# KiCad board motordecoder2-roomlight.kicad_pcb (continued)
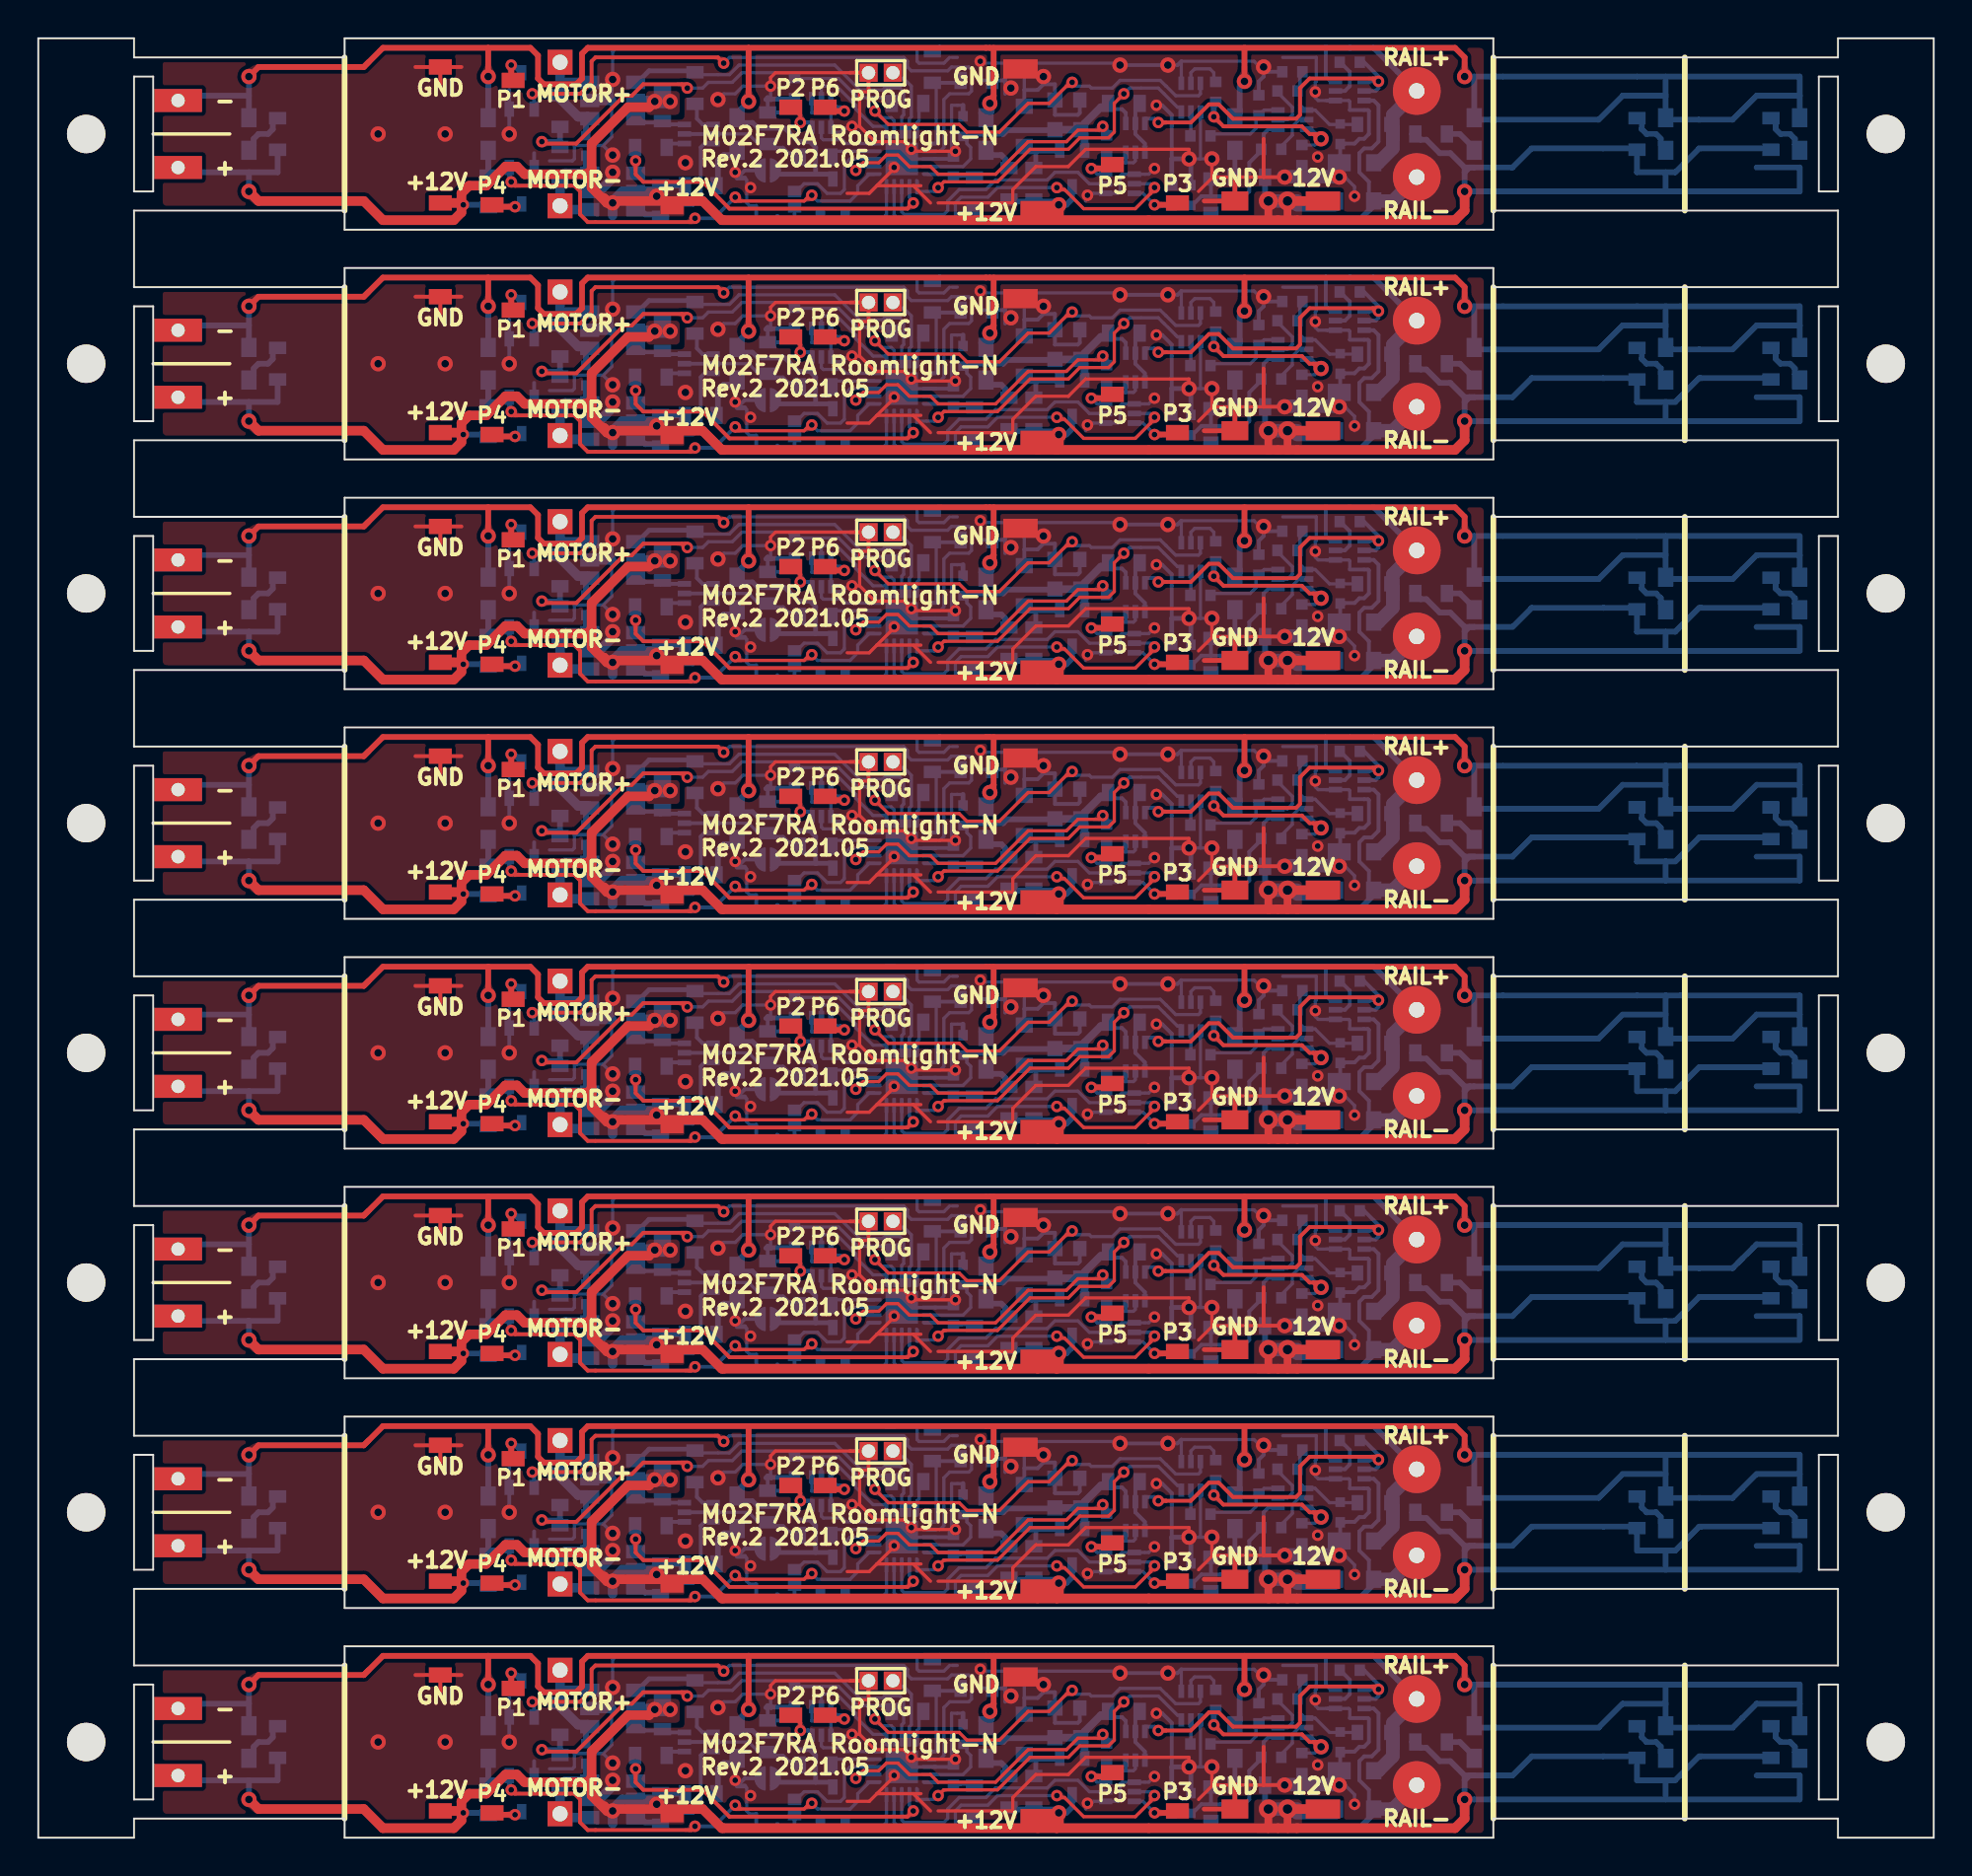
[diagram p0: board, top side]
## Routing (per net, layer and track width the routed paths; a pad name or vN(x,y) marks a point on that pad's centre or on a via; arc(x,y) is an arc through that point) (continued)
  Bottom w0.17: 67.35,78.75 66.85,78.75 66.7,78.9 v3(66.7,79.2) 66.7,79.7 66.75,79.75 66.75,81 65,81 ; 67.35,78.75 Q8#2.1 68.45,78.75 68.5,78.7 68.5,78.25 ; 67.35,78.75 67.25,78.75 ; 67.35,66.75 66.85,66.75 66.7,66.9 v3(66.7,67.2) 66.7,67.7 66.75,67.75 66.75,69 65,69 ; 67.35,66.75 Q8#3.1 68.45,66.75 68.5,66.7 68.5,66.25 ; 67.35,66.75 67.25,66.75 ; 67.35,54.75 66.85,54.75 66.7,54.9 v3(66.7,55.2) 66.7,55.7 66.75,55.75 66.75,57 65,57 ; 67.35,54.75 Q8#4.1 68.45,54.75 68.5,54.7 68.5,54.25 ; 67.35,54.75 67.25,54.75 ; 67.35,42.75 66.85,42.75 66.7,42.9 v3(66.7,43.2) 66.7,43.7 66.75,43.75 66.75,45 65,45 ; 67.35,42.75 Q8#5.1 68.45,42.75 68.5,42.7 68.5,42.25 ; 67.35,42.75 67.25,42.75 ; 67.35,30.75 66.85,30.75 66.7,30.9 v3(66.7,31.2) 66.7,31.7 66.75,31.75 66.75,33 65,33 ; 67.35,30.75 Q8#6.1 68.45,30.75 68.5,30.7 68.5,30.25 ; 67.35,30.75 67.25,30.75 ; 67.35,18.75 66.85,18.75 66.7,18.9 v3(66.7,19.2) 66.7,19.7 66.75,19.75 66.75,21 65,21 ; 67.35,18.75 Q8#7.1 68.45,18.75 68.5,18.7 68.5,18.25 ; 67.35,18.75 67.25,18.75 ; 67.35,6.75 66.85,6.75 66.7,6.9 v3(66.7,7.2) 66.7,7.7 66.75,7.75 66.75,9 65,9 ; 67.35,6.75 Q8#8.1 68.45,6.75 68.5,6.7 68.5,6.25 ; 67.35,6.75 67.25,6.75 ; v1(67.95,74.75) 68.25,74.75 68.75,74.25 v3(68.75,73.75) 68.75,73.5 ; v1(67.95,62.75) 68.25,62.75 68.75,62.25 v3(68.75,61.75) 68.75,61.5 ; v1(67.95,50.75) 68.25,50.75 68.75,50.25 v3(68.75,49.75) 68.75,49.5 ; v1(67.95,38.75) 68.25,38.75 68.75,38.25 v3(68.75,37.75) 68.75,37.5 ; v1(67.95,26.75) 68.25,26.75 68.75,26.25 v3(68.75,25.75) 68.75,25.5 ; v1(67.95,14.75) 68.25,14.75 68.75,14.25 v3(68.75,13.75) 68.75,13.5 ; v1(67.95,2.75) 68.25,2.75 68.75,2.25 v3(68.75,1.75) 68.75,1.5 ; 60.7,75.7 v1(61.3,75.7) ; 60.7,75.7 Q22#2.4 ; 60.7,75.7 v1(60.1,75.7) ; 60.7,63.7 v1(61.3,63.7) ; 60.7,63.7 Q22#3.4 ; 60.7,63.7 v1(60.1,63.7) ; 60.7,51.7 v1(61.3,51.7) ; 60.7,51.7 Q22#4.4 ; 60.7,51.7 v1(60.1,51.7) ; 60.7,39.7 v1(61.3,39.7) ; 60.7,39.7 Q22#5.4 ; 60.7,39.7 v1(60.1,39.7) ; 60.7,27.7 v1(61.3,27.7) ; 60.7,27.7 Q22#6.4 ; 60.7,27.7 v1(60.1,27.7) ; 60.7,15.7 v1(61.3,15.7) ; 60.7,15.7 Q22#7.4 ; 60.7,15.7 v1(60.1,15.7) ; 60.7,3.7 v1(61.3,3.7) ; 60.7,3.7 Q22#8.4 ; 60.7,3.7 v1(60.1,3.7) ; Q14#2.4 40.4,78.1 41.4,78.1 Q14#2.1 41.4,77.1 41.9,77.1 42.1,77.3 ; Q14#3.4 40.4,66.1 41.4,66.1 Q14#3.1 41.4,65.1 41.9,65.1 42.1,65.3 ; Q14#4.4 40.4,54.1 41.4,54.1 Q14#4.1 41.4,53.1 41.9,53.1 42.1,53.3 ; Q14#5.4 40.4,42.1 41.4,42.1 Q14#5.1 41.4,41.1 41.9,41.1 42.1,41.3 ; Q14#6.4 40.4,30.1 41.4,30.1 Q14#6.1 41.4,29.1 41.9,29.1 42.1,29.3 ; Q14#7.4 40.4,18.1 41.4,18.1 Q14#7.1 41.4,17.1 41.9,17.1 42.1,17.3 ; Q14#8.4 40.4,6.1 41.4,6.1 Q14#8.1 41.4,5.1 41.9,5.1 42.1,5.3 ; v1(64,80.5) 63.8,80.5 63.5,80.8 59.7,80.8 Q22#2.1 ; v1(64,68.5) 63.8,68.5 63.5,68.8 59.7,68.8 Q22#3.1 ; v1(64,56.5) 63.8,56.5 63.5,56.8 59.7,56.8 Q22#4.1 ; v1(64,44.5) 63.8,44.5 63.5,44.8 59.7,44.8 Q22#5.1 ; v1(64,32.5) 63.8,32.5 63.5,32.8 59.7,32.8 Q22#6.1 ; v1(64,20.5) 63.8,20.5 63.5,20.8 59.7,20.8 Q22#7.1 ; v1(64,8.5) 63.8,8.5 63.5,8.8 59.7,8.8 Q22#8.1 ; 47.7,75.8 47.7,78.5 48.3,78.5 ; 47.7,63.8 47.7,66.5 48.3,66.5 ; 47.7,51.8 47.7,54.5 48.3,54.5 ; 47.7,39.8 47.7,42.5 48.3,42.5 ; 47.7,27.8 47.7,30.5 48.3,30.5 ; 47.7,15.8 47.7,18.5 48.3,18.5 ; 47.7,3.8 47.7,6.5 48.3,6.5 ; v3(58.3,75.2) 58,74.9 Q13#2.1 56.6,74.9 56.5,74.8 56.5,74 56.4,73.9 Q13#2.4 55.1,73.9 54.7,73.5 ; v3(58.3,63.2) 58,62.9 Q13#3.1 56.6,62.9 56.5,62.8 56.5,62 56.4,61.9 Q13#3.4 55.1,61.9 54.7,61.5 ; v3(58.3,51.2) 58,50.9 Q13#4.1 56.6,50.9 56.5,50.8 56.5,50 56.4,49.9 Q13#4.4 55.1,49.9 54.7,49.5 ; v3(58.3,39.2) 58,38.9 Q13#5.1 56.6,38.9 56.5,38.8 56.5,38 56.4,37.9 Q13#5.4 55.1,37.9 54.7,37.5 ; v3(58.3,27.2) 58,26.9 Q13#6.1 56.6,26.9 56.5,26.8 56.5,26 56.4,25.9 Q13#6.4 55.1,25.9 54.7,25.5 ; v3(58.3,15.2) 58,14.9 Q13#7.1 56.6,14.9 56.5,14.8 56.5,14 56.4,13.9 Q13#7.4 55.1,13.9 54.7,13.5 ; v3(58.3,3.2) 58,2.9 Q13#8.1 56.6,2.9 56.5,2.8 56.5,2 56.4,1.9 Q13#8.4 55.1,1.9 54.7,1.5 ; 46.85,75.7 45.4,75.7 ; 46.85,63.7 45.4,63.7 ; 46.85,51.7 45.4,51.7 ; 46.85,39.7 45.4,39.7 ; 46.85,27.7 45.4,27.7 ; 46.85,15.7 45.4,15.7 ; 46.85,3.7 45.4,3.7 ; 51.5,79.3 51.5,80.7 ; 51.5,67.3 51.5,68.7 ; 51.5,55.3 51.5,56.7 ; 51.5,43.3 51.5,44.7 ; 51.5,31.3 51.5,32.7 ; 51.5,19.3 51.5,20.7 ; 51.5,7.3 51.5,8.7 ; 42.1,77.3 42.3,77.3 ; 42.1,77.3 42.4,77.3 v3(42.5,77.4) ; 42.1,65.3 42.3,65.3 ; 42.1,65.3 42.4,65.3 v3(42.5,65.4) ; 42.1,53.3 42.3,53.3 ; 42.1,53.3 42.4,53.3 v3(42.5,53.4) ; 42.1,41.3 42.3,41.3 ; 42.1,41.3 42.4,41.3 v3(42.5,41.4) ; 42.1,29.3 42.3,29.3 ; 42.1,29.3 42.4,29.3 v3(42.5,29.4) ; 42.1,17.3 42.3,17.3 ; 42.1,17.3 42.4,17.3 v3(42.5,17.4) ; 42.1,5.3 42.3,5.3 ; 42.1,5.3 42.4,5.3 v3(42.5,5.4) ; v1(30,75.9) 29.5,76.4 ; 29.5,76.4 28,76.4 28,75.7 27.9,75.6 26.7,75.6 ; 29.5,76.4 29.95,76.85 29.95,78.75 ; v1(30,63.9) 29.5,64.4 ; 29.5,64.4 28,64.4 28,63.7 27.9,63.6 26.7,63.6 ; 29.5,64.4 29.95,64.85 29.95,66.75 ; v1(30,51.9) 29.5,52.4 ; 29.5,52.4 28,52.4 28,51.7 27.9,51.6 26.7,51.6 ; 29.5,52.4 29.95,52.85 29.95,54.75 ; v1(30,39.9) 29.5,40.4 ; 29.5,40.4 28,40.4 28,39.7 27.9,39.6 26.7,39.6 ; 29.5,40.4 29.95,40.85 29.95,42.75 ; v1(30,27.9) 29.5,28.4 ; 29.5,28.4 28,28.4 28,27.7 27.9,27.6 26.7,27.6 ; 29.5,28.4 29.95,28.85 29.95,30.75 ; v1(30,15.9) 29.5,16.4 ; 29.5,16.4 28,16.4 28,15.7 27.9,15.6 26.7,15.6 ; 29.5,16.4 29.95,16.85 29.95,18.75 ; v1(30,3.9) 29.5,4.4 ; 29.5,4.4 28,4.4 28,3.7 27.9,3.6 26.7,3.6 ; 29.5,4.4 29.95,4.85 29.95,6.75 ; 40.75,72.75 40.75,72.65 40.9,72.5 40.8,72.5 ; 40.75,60.75 40.75,60.65 40.9,60.5 40.8,60.5 ; 40.75,48.75 40.75,48.65 40.9,48.5 40.8,48.5 ; 40.75,36.75 40.75,36.65 40.9,36.5 40.8,36.5 ; 40.75,24.75 40.75,24.65 40.9,24.5 40.8,24.5 ; 40.75,12.75 40.75,12.65 40.9,12.5 40.8,12.5 ; 40.75,0.75 40.75,0.65 40.9,0.5 40.8,0.5 ; 51.5,80.7 56.4,80.7 v1(56.5,80.6) ; 51.5,80.7 49.5,80.7 ; 51.5,68.7 56.4,68.7 v1(56.5,68.6) ; 51.5,68.7 49.5,68.7 ; 51.5,56.7 56.4,56.7 v1(56.5,56.6) ; 51.5,56.7 49.5,56.7 ; 51.5,44.7 56.4,44.7 v1(56.5,44.6) ; 51.5,44.7 49.5,44.7 ; 51.5,32.7 56.4,32.7 v1(56.5,32.6) ; 51.5,32.7 49.5,32.7 ; 51.5,20.7 56.4,20.7 v1(56.5,20.6) ; 51.5,20.7 49.5,20.7 ; 51.5,8.7 56.4,8.7 v1(56.5,8.6) ; 51.5,8.7 49.5,8.7 ; v1(35.5,78.8) 35.8,79.1 36.4,79.1 36.8,79.5 v3(38.25,79.5) 38.25,78.88 38.3,78.83 ; v1(35.5,66.8) 35.8,67.1 36.4,67.1 36.8,67.5 v3(38.25,67.5) 38.25,66.88 38.3,66.83 ; v1(35.5,54.8) 35.8,55.1 36.4,55.1 36.8,55.5 v3(38.25,55.5) 38.25,54.88 38.3,54.83 ; v1(35.5,42.8) 35.8,43.1 36.4,43.1 36.8,43.5 v3(38.25,43.5) 38.25,42.88 38.3,42.83 ; v1(35.5,30.8) 35.8,31.1 36.4,31.1 36.8,31.5 v3(38.25,31.5) 38.25,30.88 38.3,30.83 ; v1(35.5,18.8) 35.8,19.1 36.4,19.1 36.8,19.5 v3(38.25,19.5) 38.25,18.88 38.3,18.83 ; v1(35.5,6.8) 35.8,7.1 36.4,7.1 36.8,7.5 v3(38.25,7.5) 38.25,6.88 38.3,6.83 ; 36.9,74.7 37,74.6 37,73.4 37.15,73.25 37.5,73.25 ; 36.9,62.7 37,62.6 37,61.4 37.15,61.25 37.5,61.25 ; 36.9,50.7 37,50.6 37,49.4 37.15,49.25 37.5,49.25 ; 36.9,38.7 37,38.6 37,37.4 37.15,37.25 37.5,37.25 ; 36.9,26.7 37,26.6 37,25.4 37.15,25.25 37.5,25.25 ; 36.9,14.7 37,14.6 37,13.4 37.15,13.25 37.5,13.25 ; 36.9,2.7 37,2.6 37,1.4 37.15,1.25 37.5,1.25 ; v1(30,79.85) 30,81.3 30.2,81.5 35.25,81.5 ; v1(30,67.85) 30,69.3 30.2,69.5 35.25,69.5 ; v1(30,55.85) 30,57.3 30.2,57.5 35.25,57.5 ; v1(30,43.85) 30,45.3 30.2,45.5 35.25,45.5 ; v1(30,31.85) 30,33.3 30.2,33.5 35.25,33.5 ; v1(30,19.85) 30,21.3 30.2,21.5 35.25,21.5 ; v1(30,7.85) 30,9.3 30.2,9.5 35.25,9.5 ; 47.73,81 48,81 ; 47.73,69 48,69 ; 47.73,57 48,57 ; 47.73,45 48,45 ; 47.73,33 48,33 ; 47.73,21 48,21 ; 47.73,9 48,9 ; 47.6,81 47.3,80.7 46,80.7 45.9,80.8 45.9,81.5 ; 47.6,69 47.3,68.7 46,68.7 45.9,68.8 45.9,69.5 ; 47.6,57 47.3,56.7 46,56.7 45.9,56.8 45.9,57.5 ; 47.6,45 47.3,44.7 46,44.7 45.9,44.8 45.9,45.5 ; 47.6,33 47.3,32.7 46,32.7 45.9,32.8 45.9,33.5 ; 47.6,21 47.3,20.7 46,20.7 45.9,20.8 45.9,21.5 ; 47.6,9 47.3,8.7 46,8.7 45.9,8.8 45.9,9.5 ; 46.85,87.7 45.4,87.7 ; 47.7,87.8 47.7,90.5 48.3,90.5 ; 42.1,89.3 41.9,89.1 41.4,89.1 Q14.1 41.4,90.1 40.4,90.1 Q14.4 ; 42.1,89.3 42.3,89.3 ; 42.1,89.3 42.4,89.3 v3(42.5,89.4) ; 45.9,93.5 45.9,92.8 46,92.7 47.3,92.7 47.6,93 ; v3(58.3,87.2) 58,86.9 Q13.1 56.6,86.9 56.5,86.8 56.5,86 56.4,85.9 Q13.4 55.1,85.9 54.7,85.5 ; v1(56.5,92.6) 56.4,92.7 51.5,92.7 ; 29.95,90.75 29.95,88.85 29.5,88.4 ; 51.5,91.3 51.5,92.7 ; 47.73,93 48,93 ; 51.5,92.7 49.5,92.7 ; v1(64,92.5) 63.8,92.5 63.5,92.8 59.7,92.8 Q22.1 ; v1(30,87.9) 29.5,88.4 ; 29.5,88.4 28,88.4 28,87.7 27.9,87.6 26.7,87.6 ; v1(67.95,86.75) 68.25,86.75 68.75,86.25 v3(68.75,85.75) 68.75,85.5 ; 65,93 66.75,93 66.75,91.75 66.7,91.7 v3(66.7,91.2) 66.7,90.9 66.85,90.75 67.35,90.75 ; 40.8,84.5 40.9,84.5 40.75,84.65 40.75,84.75 ; 67.35,90.75 67.25,90.75 ; 67.35,90.75 Q8.1 68.45,90.75 68.5,90.7 68.5,90.25 ; 60.7,87.7 v1(61.3,87.7) ; 60.7,87.7 v1(60.1,87.7) ; 60.7,87.7 Q22.4 ; 35.25,93.5 30.2,93.5 30,93.3 v1(30,91.85) ; 37.5,85.25 37.15,85.25 37,85.4 37,86.6 36.9,86.7 ; 38.3,90.83 38.25,90.88 v3(38.25,91.5) 36.8,91.5 36.4,91.1 35.8,91.1 v1(35.5,90.8)
  Bottom w0.2: 65.03,74.78 65.22,74.78 65.25,74.75 ; 65.03,62.78 65.22,62.78 65.25,62.75 ; 65.03,50.78 65.22,50.78 65.25,50.75 ; 65.03,38.78 65.22,38.78 65.25,38.75 ; 65.03,26.78 65.22,26.78 65.25,26.75 ; 65.03,14.78 65.22,14.78 65.25,14.75 ; 65.03,2.78 65.22,2.78 65.25,2.75 ; 44.25,81.5 35.25,81.5 ; 44.25,69.5 35.25,69.5 ; 44.25,57.5 35.25,57.5 ; 44.25,45.5 35.25,45.5 ; 44.25,33.5 35.25,33.5 ; 44.25,21.5 35.25,21.5 ; 44.25,9.5 35.25,9.5 ; 67.95,74.55 D1#2.1 68,75.55 C11#2.2 68.22,76.47 68.25,76.5 68.75,76.5 69,76.75 69.25,76.75 69.5,77 69.5,78.2 69.45,78.25 68.5,78.25 ; 67.95,62.55 D1#3.1 68,63.55 C11#3.2 68.22,64.47 68.25,64.5 68.75,64.5 69,64.75 69.25,64.75 69.5,65 69.5,66.2 69.45,66.25 68.5,66.25 ; 67.95,50.55 D1#4.1 68,51.55 C11#4.2 68.22,52.47 68.25,52.5 68.75,52.5 69,52.75 69.25,52.75 69.5,53 69.5,54.2 69.45,54.25 68.5,54.25 ; 67.95,38.55 D1#5.1 68,39.55 C11#5.2 68.22,40.47 68.25,40.5 68.75,40.5 69,40.75 69.25,40.75 69.5,41 69.5,42.2 69.45,42.25 68.5,42.25 ; 67.95,26.55 D1#6.1 68,27.55 C11#6.2 68.22,28.47 68.25,28.5 68.75,28.5 69,28.75 69.25,28.75 69.5,29 69.5,30.2 69.45,30.25 68.5,30.25 ; 67.95,14.55 D1#7.1 68,15.55 C11#7.2 68.22,16.47 68.25,16.5 68.75,16.5 69,16.75 69.25,16.75 69.5,17 69.5,18.2 69.45,18.25 68.5,18.25 ; 67.95,2.55 D1#8.1 68,3.55 C11#8.2 68.22,4.47 68.25,4.5 68.75,4.5 69,4.75 69.25,4.75 69.5,5 69.5,6.2 69.45,6.25 68.5,6.25 ; 68,78.75 Q8#2.1 ; 68,66.75 Q8#3.1 ; 68,54.75 Q8#4.1 ; 68,42.75 Q8#5.1 ; 68,30.75 Q8#6.1 ; 68,18.75 Q8#7.1 ; 68,6.75 Q8#8.1 ; R32#2.2 64.25,80.25 v1(64,80.5) 64,80 63.75,79.75 R37#2.2 ; R32#3.2 64.25,68.25 v1(64,68.5) 64,68 63.75,67.75 R37#3.2 ; R32#4.2 64.25,56.25 v1(64,56.5) 64,56 63.75,55.75 R37#4.2 ; R32#5.2 64.25,44.25 v1(64,44.5) 64,44 63.75,43.75 R37#5.2 ; R32#6.2 64.25,32.25 v1(64,32.5) 64,32 63.75,31.75 R37#6.2 ; R32#7.2 64.25,20.25 v1(64,20.5) 64,20 63.75,19.75 R37#7.2 ; R32#8.2 64.25,8.25 v1(64,8.5) 64,8 63.75,7.75 R37#8.2 ; 46.8,75.7 47.6,75.7 48,76.1 ; 46.8,63.7 47.6,63.7 48,64.1 ; 46.8,51.7 47.6,51.7 48,52.1 ; 46.8,39.7 47.6,39.7 48,40.1 ; 46.8,27.7 47.6,27.7 48,28.1 ; 46.8,15.7 47.6,15.7 48,16.1 ; 46.8,3.7 47.6,3.7 48,4.1 ; D3#2.2 51.5,79.3 52.2,79.3 52.5,79.6 53.1,79.6 C3#2.2 53.1,78 54.3,78 54.4,78.1 C4#2.2 ; D3#3.2 51.5,67.3 52.2,67.3 52.5,67.6 53.1,67.6 C3#3.2 53.1,66 54.3,66 54.4,66.1 C4#3.2 ; D3#4.2 51.5,55.3 52.2,55.3 52.5,55.6 53.1,55.6 C3#4.2 53.1,54 54.3,54 54.4,54.1 C4#4.2 ; D3#5.2 51.5,43.3 52.2,43.3 52.5,43.6 53.1,43.6 C3#5.2 53.1,42 54.3,42 54.4,42.1 C4#5.2 ; D3#6.2 51.5,31.3 52.2,31.3 52.5,31.6 53.1,31.6 C3#6.2 53.1,30 54.3,30 54.4,30.1 C4#6.2 ; D3#7.2 51.5,19.3 52.2,19.3 52.5,19.6 53.1,19.6 C3#7.2 53.1,18 54.3,18 54.4,18.1 C4#7.2 ; D3#8.2 51.5,7.3 52.2,7.3 52.5,7.6 53.1,7.6 C3#8.2 53.1,6 54.3,6 54.4,6.1 C4#8.2 ; 59.2,75.7 59.2,78 58.7,78.5 v3(58.4,78.5) ; 59.2,63.7 59.2,66 58.7,66.5 v3(58.4,66.5) ; 59.2,51.7 59.2,54 58.7,54.5 v3(58.4,54.5) ; 59.2,39.7 59.2,42 58.7,42.5 v3(58.4,42.5) ; 59.2,27.7 59.2,30 58.7,30.5 v3(58.4,30.5) ; 59.2,15.7 59.2,18 58.7,18.5 v3(58.4,18.5) ; 59.2,3.7 59.2,6 58.7,6.5 v3(58.4,6.5) ; v1(56.5,80.6) v1(59,80.6) 59.5,80.6 59.7,80.8 ; v1(56.5,68.6) v1(59,68.6) 59.5,68.6 59.7,68.8 ; v1(56.5,56.6) v1(59,56.6) 59.5,56.6 59.7,56.8 ; v1(56.5,44.6) v1(59,44.6) 59.5,44.6 59.7,44.8 ; v1(56.5,32.6) v1(59,32.6) 59.5,32.6 59.7,32.8 ; v1(56.5,20.6) v1(59,20.6) 59.5,20.6 59.7,20.8 ; v1(56.5,8.6) v1(59,8.6) 59.5,8.6 59.7,8.8 ; 29.95,78.75 29.95,79.85 ; 29.95,66.75 29.95,67.85 ; 29.95,54.75 29.95,55.85 ; 29.95,42.75 29.95,43.85 ; 29.95,30.75 29.95,31.85 ; 29.95,18.75 29.95,19.85 ; 29.95,6.75 29.95,7.85 ; 38.7,72.6 38.6,72.5 37.5,72.5 37.5,73.25 ; 38.7,60.6 38.6,60.5 37.5,60.5 37.5,61.25 ; 38.7,48.6 38.6,48.5 37.5,48.5 37.5,49.25 ; 38.7,36.6 38.6,36.5 37.5,36.5 37.5,37.25 ; 38.7,24.6 38.6,24.5 37.5,24.5 37.5,25.25 ; 38.7,12.6 38.6,12.5 37.5,12.5 37.5,13.25 ; 38.7,0.6 38.6,0.5 37.5,0.5 37.5,1.25 ; JP1#2.2 36.9,75.1 36.5,74.7 ; JP1#3.2 36.9,63.1 36.5,62.7 ; JP1#4.2 36.9,51.1 36.5,50.7 ; JP1#5.2 36.9,39.1 36.5,38.7 ; JP1#6.2 36.9,27.1 36.5,26.7 ; JP1#7.2 36.9,15.1 36.5,14.7 ; JP1#8.2 36.9,3.1 36.5,2.7 ; 24.6,79.3 Q11#2.2 24.6,77.4 ; 24.6,67.3 Q11#3.2 24.6,65.4 ; 24.6,55.3 Q11#4.2 24.6,53.4 ; 24.6,43.3 Q11#5.2 24.6,41.4 ; 24.6,31.3 Q11#6.2 24.6,29.4 ; 24.6,19.3 Q11#7.2 24.6,17.4 ; 24.6,7.3 Q11#8.2 24.6,5.4 ; JP2#2.2 39.5,72.5 ; JP2#3.2 39.5,60.5 ; JP2#4.2 39.5,48.5 ; JP2#5.2 39.5,36.5 ; JP2#6.2 39.5,24.5 ; JP2#7.2 39.5,12.5 ; JP2#8.2 39.5,0.5 ; R17#2.2 50.4,79.8 50.5,79.9 50.5,79.1 ; R17#3.2 50.4,67.8 50.5,67.9 50.5,67.1 ; R17#4.2 50.4,55.8 50.5,55.9 50.5,55.1 ; R17#5.2 50.4,43.8 50.5,43.9 50.5,43.1 ; R17#6.2 50.4,31.8 50.5,31.9 50.5,31.1 ; R17#7.2 50.4,19.8 50.5,19.9 50.5,19.1 ; R17#8.2 50.4,7.8 50.5,7.9 50.5,7.1 ; 39.5,78.2 39.25,78.2 39.18,78.12 R8#2.2 38.1,78.9 ; 39.5,66.2 39.25,66.2 39.18,66.12 R8#3.2 38.1,66.9 ; 39.5,54.2 39.25,54.2 39.18,54.12 R8#4.2 38.1,54.9 ; 39.5,42.2 39.25,42.2 39.18,42.12 R8#5.2 38.1,42.9 ; 39.5,30.2 39.25,30.2 39.18,30.12 R8#6.2 38.1,30.9 ; 39.5,18.2 39.25,18.2 39.18,18.12 R8#7.2 38.1,18.9 ; 39.5,6.2 39.25,6.2 39.18,6.12 R8#8.2 38.1,6.9 ; 49.93,79.8 49.2,79.8 ; 49.93,67.8 49.2,67.8 ; 49.93,55.8 49.2,55.8 ; 49.93,43.8 49.2,43.8 ; 49.93,31.8 49.2,31.8 ; 49.93,19.8 49.2,19.8 ; 49.93,7.8 49.2,7.8 ; 25.9,76 Q12#2.2 25.9,74.4 ; 25.9,64 Q12#3.2 25.9,62.4 ; 25.9,52 Q12#4.2 25.9,50.4 ; 25.9,40 Q12#5.2 25.9,38.4 ; 25.9,28 Q12#6.2 25.9,26.4 ; 25.9,16 Q12#7.2 25.9,14.4 ; 25.9,4 Q12#8.2 25.9,2.4 ; 36.5,86.7 36.9,87.1 JP1.2 ; 25.9,88 Q12.2 25.9,86.4 ; v3(58.4,90.5) 58.7,90.5 59.2,90 59.2,87.7 ; JP2.2 39.5,84.5 ; 65.25,86.75 65.22,86.78 65.03,86.78 ; 24.6,89.4 Q11.2 24.6,91.3 ; 29.95,90.75 29.95,91.85 ; R37.2 63.75,91.75 64,92 v1(64,92.5) 64.25,92.25 R32.2 ; v1(56.5,92.6) v1(59,92.6) 59.5,92.6 59.7,92.8 ; 37.5,85.25 37.5,84.5 38.6,84.5 38.7,84.6 ; 46.8,87.7 47.6,87.7 48,88.1 ; C4.2 54.4,90.1 54.3,90 53.1,90 C3.2 53.1,91.6 52.5,91.6 52.2,91.3 51.5,91.3 D3.2 ; 39.5,90.2 39.25,90.2 39.18,90.12 R8.2 38.1,90.9 ; 67.95,86.55 D1.1 68,87.55 C11.2 68.22,88.47 68.25,88.5 68.75,88.5 69,88.75 69.25,88.75 69.5,89 69.5,90.2 69.45,90.25 68.5,90.25 ; 49.93,91.8 49.2,91.8 ; 35.25,93.5 44.25,93.5 ; 50.5,91.1 50.5,91.9 50.4,91.8 R17.2 ; 68,90.75 Q8.1
  Bottom w0.25: 44.75,81.5 44.25,81.5 45.9,81.5 ; 44.75,69.5 44.25,69.5 45.9,69.5 ; 44.75,57.5 44.25,57.5 45.9,57.5 ; 44.75,45.5 44.25,45.5 45.9,45.5 ; 44.75,33.5 44.25,33.5 45.9,33.5 ; 44.75,21.5 44.25,21.5 45.9,21.5 ; 44.75,9.5 44.25,9.5 45.9,9.5 ; C12#2.2 60.2,75.6 v1(60.1,75.7) 59.2,75.7 R36#2.2 ; C12#3.2 60.2,63.6 v1(60.1,63.7) 59.2,63.7 R36#3.2 ; C12#4.2 60.2,51.6 v1(60.1,51.7) 59.2,51.7 R36#4.2 ; C12#5.2 60.2,39.6 v1(60.1,39.7) 59.2,39.7 R36#5.2 ; C12#6.2 60.2,27.6 v1(60.1,27.7) 59.2,27.7 R36#6.2 ; C12#7.2 60.2,15.6 v1(60.1,15.7) 59.2,15.7 R36#7.2 ; C12#8.2 60.2,3.6 v1(60.1,3.7) 59.2,3.7 R36#8.2 ; C5#2.2 48.3,78.5 ; C5#3.2 48.3,66.5 ; 48.3,53.92 48.3,54.5 ; 48.3,41.92 48.3,42.5 ; 48.3,29.92 48.3,30.5 ; 48.3,17.92 48.3,18.5 ; 48.3,5.92 48.3,6.5 ; 43.25,80.25 43.45,80.25 ; 43.25,68.25 43.45,68.25 ; 43.25,56.25 43.45,56.25 ; 43.25,44.25 43.45,44.25 ; 43.25,32.25 43.45,32.25 ; 43.25,20.25 43.45,20.25 ; 43.25,8.25 43.45,8.25 ; 39.5,78.2 R16#2.2 39.45,78.83 38.3,78.83 38.28,78.8 38.1,78.9 38,78.8 ; 39.5,66.2 R16#3.2 39.45,66.83 38.3,66.83 38.28,66.8 38.1,66.9 38,66.8 ; 39.5,54.2 R16#4.2 39.45,54.83 38.3,54.83 38.28,54.8 38.1,54.9 38,54.8 ; 39.5,42.2 R16#5.2 39.45,42.83 38.3,42.83 38.28,42.8 38.1,42.9 38,42.8 ; 39.5,30.2 R16#6.2 39.45,30.83 38.3,30.83 38.28,30.8 38.1,30.9 38,30.8 ; 39.5,18.2 R16#7.2 39.45,18.83 38.3,18.83 38.28,18.8 38.1,18.9 38,18.8 ; 39.5,6.2 R16#8.2 39.45,6.83 38.3,6.83 38.28,6.8 38.1,6.9 38,6.8 ; Q17#2.2 40.85,72.55 40.8,72.5 38.8,72.5 38.6,72.7 ; Q17#3.2 40.85,60.55 40.8,60.5 38.8,60.5 38.6,60.7 ; Q17#4.2 40.85,48.55 40.8,48.5 38.8,48.5 38.6,48.7 ; Q17#5.2 40.85,36.55 40.8,36.5 38.8,36.5 38.6,36.7 ; Q17#6.2 40.85,24.55 40.8,24.5 38.8,24.5 38.6,24.7 ; Q17#7.2 40.85,12.55 40.8,12.5 38.8,12.5 38.6,12.7 ; Q17#8.2 40.85,0.55 40.8,0.5 38.8,0.5 38.6,0.7 ; 36.5,74.7 36.9,74.7 ; 36.5,62.7 36.9,62.7 ; 36.5,50.7 36.9,50.7 ; 36.5,38.7 36.9,38.7 ; 36.5,26.7 36.9,26.7 ; 36.5,14.7 36.9,14.7 ; 36.5,2.7 36.9,2.7 ; 36.5,86.7 36.9,86.7 ; 44.75,93.5 44.25,93.5 45.9,93.5 ; 38.6,84.7 38.8,84.5 40.8,84.5 40.85,84.55 Q17.2 ; 39.5,90.2 R16.2 39.45,90.83 38.3,90.83 38.28,90.8 38.1,90.9 38,90.8 ; R36.2 59.2,87.7 v1(60.1,87.7) 60.2,87.6 C12.2 ; C5.2 48.3,90.5 ; 43.25,92.25 43.45,92.25
  Bottom w0.5: v1(30,75) 30,74.7 29.3,74 Q2#2.5 ; v1(30,63) 30,62.7 29.3,62 Q2#3.5 ; v1(30,51) 30,50.7 29.3,50 Q2#4.5 ; v1(30,39) 30,38.7 29.3,38 Q2#5.5 ; v1(30,27) 30,26.7 29.3,26 Q2#6.5 ; v1(30,15) 30,14.7 29.3,14 Q2#7.5 ; v1(30,3) 30,2.7 29.3,2 Q2#8.5 ; Q1#2.5 29.95,78.75 ; Q1#3.5 29.95,66.75 ; Q1#4.5 29.95,54.75 ; Q1#5.5 29.95,42.75 ; Q1#6.5 29.95,30.75 ; Q1#7.5 29.95,18.75 ; Q1#8.5 29.95,6.75 ; v1(30,87) 30,86.7 29.3,86 Q2.5 ; Q1.5 29.95,90.75
  Bottom w0.7: 65.03,74.78 67.93,74.78 67.95,74.8 ; 65.03,62.78 67.93,62.78 67.95,62.8 ; 65.03,50.78 67.93,50.78 67.95,50.8 ; 65.03,38.78 67.93,38.78 67.95,38.8 ; 65.03,26.78 67.93,26.78 67.95,26.8 ; 65.03,14.78 67.93,14.78 67.95,14.8 ; 65.03,2.78 67.93,2.78 67.95,2.8 ; 67.95,86.8 67.93,86.78 65.03,86.78
  vias: v1(17.75,89) v1(17.75,77) v1(17.75,65) v1(17.75,53) v1(17.75,41) v1(17.75,29) v1(17.75,17) v1(17.75,5) v1(21.25,89) v1(21.25,77) v1(21.25,65) v1(21.25,53) v1(21.25,41) v1(21.25,29) v1(21.25,17) v1(21.25,5) v1(24.6,89) v1(24.6,77) v1(24.6,65) v1(24.6,53) v1(24.6,41) v1(24.6,29) v1(24.6,17) v1(24.6,5) v1(33.8,87.5) v1(33.8,75.5) v1(33.8,63.5) v1(33.8,51.5) v1(33.8,39.5) v1(33.8,27.5) v1(33.8,15.5) v1(33.8,3.5) v1(50.8,91.4) v1(50.8,79.4) v1(50.8,67.4) v1(50.8,55.4) v1(50.8,43.4) v1(50.8,31.4) v1(50.8,19.4) v1(50.8,7.4) v1(52.5,92) v1(52.5,80) v1(52.5,68) v1(52.5,56) v1(52.5,44) v1(52.5,32) v1(52.5,20) v1(52.5,8) v1(65.1,86.75) v1(65.1,74.75) v1(65.1,62.75) v1(65.1,50.75) v1(65.1,38.75) v1(65.1,26.75) v1(65.1,14.75) v1(65.1,2.75) v3(36.4,87) v3(36.4,75) v3(36.4,63) v3(36.4,51) v3(36.4,39) v3(36.4,27) v3(36.4,15) v3(36.4,3) v3(37.2,86.2) v3(37.2,74.2) v3(37.2,62.2) v3(37.2,50.2) v3(37.2,38.2) v3(37.2,26.2) v3(37.2,14.2) v3(37.2,2.2) v3(49.2,92.8) v3(49.2,80.8) v3(49.2,68.8) v3(49.2,56.8) v3(49.2,44.8) v3(49.2,32.8) v3(49.2,20.8) v3(49.2,8.8) v3(54.8,85.8) v3(54.8,73.8) v3(54.8,61.8) v3(54.8,49.8) v3(54.8,37.8) v3(54.8,25.8) v3(54.8,13.8) v3(54.8,1.8) v3(66.82,87.8) v3(66.82,75.8) v3(66.82,63.8) v3(66.82,51.8) v3(66.82,39.8) v3(66.82,27.8) v3(66.82,15.8) v3(66.82,3.8)
ABC+: length 146
  Top w0.17: 47.3,74.5 v3(47,74.2) ; 47.3,74.5 50.1,74.5 51.8,76.2 53.8,76.2 54.4,76.8 55.9,76.8 56.2,77.1 56.2,78.6 v3(56.7,79.1) ; 47.3,74.5 47.4,74.5 ; 47.3,62.5 v3(47,62.2) ; 47.3,62.5 50.1,62.5 51.8,64.2 53.8,64.2 54.4,64.8 55.9,64.8 56.2,65.1 56.2,66.6 v3(56.7,67.1) ; 47.3,62.5 47.4,62.5 ; 47.3,50.5 v3(47,50.2) ; 47.3,50.5 50.1,50.5 51.8,52.2 53.8,52.2 54.4,52.8 55.9,52.8 56.2,53.1 56.2,54.6 v3(56.7,55.1) ; 47.3,50.5 47.4,50.5 ; 47.3,38.5 v3(47,38.2) ; 47.3,38.5 50.1,38.5 51.8,40.2 53.8,40.2 54.4,40.8 55.9,40.8 56.2,41.1 56.2,42.6 v3(56.7,43.1) ; 47.3,38.5 47.4,38.5 ; 47.3,26.5 v3(47,26.2) ; 47.3,26.5 50.1,26.5 51.8,28.2 53.8,28.2 54.4,28.8 55.9,28.8 56.2,29.1 56.2,30.6 v3(56.7,31.1) ; 47.3,26.5 47.4,26.5 ; 47.3,14.5 v3(47,14.2) ; 47.3,14.5 50.1,14.5 51.8,16.2 53.8,16.2 54.4,16.8 55.9,16.8 56.2,17.1 56.2,18.6 v3(56.7,19.1) ; 47.3,14.5 47.4,14.5 ; 47.3,2.5 v3(47,2.2) ; 47.3,2.5 50.1,2.5 51.8,4.2 53.8,4.2 54.4,4.8 55.9,4.8 56.2,5.1 56.2,6.6 v3(56.7,7.1) ; 47.3,2.5 47.4,2.5 ; 47.3,86.5 v3(47,86.2) ; 47.3,86.5 47.4,86.5 ; 47.3,86.5 50.1,86.5 51.8,88.2 53.8,88.2 54.4,88.8 55.9,88.8 56.2,89.1 56.2,90.6 v3(56.7,91.1)
  Bottom w0.17: 45.9,74.2 45.9,74.35 U2#2.6 ; 45.9,62.2 45.9,62.35 U2#3.6 ; 45.9,50.2 45.9,50.35 U2#4.6 ; 45.9,38.2 45.9,38.35 U2#5.6 ; 45.9,26.2 45.9,26.35 U2#6.6 ; 45.9,14.2 45.9,14.35 U2#7.6 ; 45.9,2.2 45.9,2.35 U2#8.6 ; 46.8,74 47.1,74.3 ; 46.8,74 v3(47,74.2) ; 46.8,74 46,74 ; 46.8,62 47.1,62.3 ; 46.8,62 v3(47,62.2) ; 46.8,62 46,62 ; 46.8,50 47.1,50.3 ; 46.8,50 v3(47,50.2) ; 46.8,50 46,50 ; 46.8,38 47.1,38.3 ; 46.8,38 v3(47,38.2) ; 46.8,38 46,38 ; 46.8,26 47.1,26.3 ; 46.8,26 v3(47,26.2) ; 46.8,26 46,26 ; 46.8,14 47.1,14.3 ; 46.8,14 v3(47,14.2) ; 46.8,14 46,14 ; 46.8,2 47.1,2.3 ; 46.8,2 v3(47,2.2) ; 46.8,2 46,2 ; Q22#2.6 59.7,78.4 59.5,78.4 58.5,79.4 57,79.4 v3(56.7,79.1) ; Q22#3.6 59.7,66.4 59.5,66.4 58.5,67.4 57,67.4 v3(56.7,67.1) ; Q22#4.6 59.7,54.4 59.5,54.4 58.5,55.4 57,55.4 v3(56.7,55.1) ; Q22#5.6 59.7,42.4 59.5,42.4 58.5,43.4 57,43.4 v3(56.7,43.1) ; Q22#6.6 59.7,30.4 59.5,30.4 58.5,31.4 57,31.4 v3(56.7,31.1) ; Q22#7.6 59.7,18.4 59.5,18.4 58.5,19.4 57,19.4 v3(56.7,19.1) ; Q22#8.6 59.7,6.4 59.5,6.4 58.5,7.4 57,7.4 v3(56.7,7.1) ; 46.8,86 v3(47,86.2) ; 46.8,86 47.1,86.3 ; 46.8,86 46,86 ; v3(56.7,91.1) 57,91.4 58.5,91.4 59.5,90.4 59.7,90.4 Q22.6 ; 45.9,86.2 45.9,86.35 U2.6
ABC-: length 172.8
  Top w0.17: v3(54,79.7) 53.9,79.7 52.8,78.6 51.7,78.6 50.2,77.1 48.5,77.1 48.1,77.5 44.4,77.5 v3(43.7,78.2) ; v3(54,67.7) 53.9,67.7 52.8,66.6 51.7,66.6 50.2,65.1 48.5,65.1 48.1,65.5 44.4,65.5 v3(43.7,66.2) ; v3(54,55.7) 53.9,55.7 52.8,54.6 51.7,54.6 50.2,53.1 48.5,53.1 48.1,53.5 44.4,53.5 v3(43.7,54.2) ; v3(54,43.7) 53.9,43.7 52.8,42.6 51.7,42.6 50.2,41.1 48.5,41.1 48.1,41.5 44.4,41.5 v3(43.7,42.2) ; v3(54,31.7) 53.9,31.7 52.8,30.6 51.7,30.6 50.2,29.1 48.5,29.1 48.1,29.5 44.4,29.5 v3(43.7,30.2) ; v3(54,19.7) 53.9,19.7 52.8,18.6 51.7,18.6 50.2,17.1 48.5,17.1 48.1,17.5 44.4,17.5 v3(43.7,18.2) ; v3(54,7.7) 53.9,7.7 52.8,6.6 51.7,6.6 50.2,5.1 48.5,5.1 48.1,5.5 44.4,5.5 v3(43.7,6.2) ; 53.7,79.5 53.9,79.5 ; 53.7,67.5 53.9,67.5 ; 53.7,55.5 53.9,55.5 ; 53.7,43.5 53.9,43.5 ; 53.7,31.5 53.9,31.5 ; 53.7,19.5 53.9,19.5 ; 53.7,7.5 53.9,7.5 ; v3(43.7,90.2) 44.4,89.5 48.1,89.5 48.5,89.1 50.2,89.1 51.7,90.6 52.8,90.6 53.9,91.7 v3(54,91.7) ; 53.7,91.5 53.9,91.5
  Bottom w0.17: v3(43.7,78.2) 44.05,77.85 44.55,77.85 44.7,77.7 44.7,77.25 ; v3(43.7,66.2) 44.05,65.85 44.55,65.85 44.7,65.7 44.7,65.25 ; v3(43.7,54.2) 44.05,53.85 44.55,53.85 44.7,53.7 44.7,53.25 ; v3(43.7,42.2) 44.05,41.85 44.55,41.85 44.7,41.7 44.7,41.25 ; v3(43.7,30.2) 44.05,29.85 44.55,29.85 44.7,29.7 44.7,29.25 ; v3(43.7,18.2) 44.05,17.85 44.55,17.85 44.7,17.7 44.7,17.25 ; v3(43.7,6.2) 44.05,5.85 44.55,5.85 44.7,5.7 44.7,5.25 ; Q22#2.3 60.7,79.1 60.6,79 59.41,79 58.91,79.5 58.9,79.5 58.6,79.8 56.5,79.8 56.1,79.4 55,79.4 54.9,79.5 54.2,79.5 v3(54,79.7) ; Q22#3.3 60.7,67.1 60.6,67 59.41,67 58.91,67.5 58.9,67.5 58.6,67.8 56.5,67.8 56.1,67.4 55,67.4 54.9,67.5 54.2,67.5 v3(54,67.7) ; Q22#4.3 60.7,55.1 60.6,55 59.41,55 58.91,55.5 58.9,55.5 58.6,55.8 56.5,55.8 56.1,55.4 55,55.4 54.9,55.5 54.2,55.5 v3(54,55.7) ; Q22#5.3 60.7,43.1 60.6,43 59.41,43 58.91,43.5 58.9,43.5 58.6,43.8 56.5,43.8 56.1,43.4 55,43.4 54.9,43.5 54.2,43.5 v3(54,43.7) ; Q22#6.3 60.7,31.1 60.6,31 59.41,31 58.91,31.5 58.9,31.5 58.6,31.8 56.5,31.8 56.1,31.4 55,31.4 54.9,31.5 54.2,31.5 v3(54,31.7) ; Q22#7.3 60.7,19.1 60.6,19 59.41,19 58.91,19.5 58.9,19.5 58.6,19.8 56.5,19.8 56.1,19.4 55,19.4 54.9,19.5 54.2,19.5 v3(54,19.7) ; Q22#8.3 60.7,7.1 60.6,7 59.41,7 58.91,7.5 58.9,7.5 58.6,7.8 56.5,7.8 56.1,7.4 55,7.4 54.9,7.5 54.2,7.5 v3(54,7.7) ; v3(54,91.7) 54.2,91.5 54.9,91.5 55,91.4 56.1,91.4 56.5,91.8 58.6,91.8 58.9,91.5 58.91,91.5 59.41,91 60.6,91 60.7,91.1 Q22.3 ; v3(43.7,90.2) 44.05,89.85 44.55,89.85 44.7,89.7 44.7,89.25
BEMF: length 12.7
  Bottom w0.17: U2#2.20 45.9,77.6 46,77.7 46,78.38 R11#2.1 ; U2#3.20 45.9,65.6 46,65.7 46,66.38 R11#3.1 ; U2#4.20 45.9,53.6 46,53.7 46,54.38 R11#4.1 ; U2#5.20 45.9,41.6 46,41.7 46,42.38 R11#5.1 ; U2#6.20 45.9,29.6 46,29.7 46,30.38 R11#6.1 ; U2#7.20 45.9,17.6 46,17.7 46,18.38 R11#7.1 ; U2#8.20 45.9,5.6 46,5.7 46,6.38 R11#8.1 ; U2.20 45.9,89.6 46,89.7 46,90.38 R11.1
DIR_JP: length 48.2
  Bottom w0.17: JP2#2.1 39.6,74 40,74.4 40.7,74.4 41.2,73.9 41.9,73.9 42.1,74.1 42.1,75.4 42.4,75.7 U2#2.13 ; JP2#3.1 39.6,62 40,62.4 40.7,62.4 41.2,61.9 41.9,61.9 42.1,62.1 42.1,63.4 42.4,63.7 U2#3.13 ; JP2#4.1 39.6,50 40,50.4 40.7,50.4 41.2,49.9 41.9,49.9 42.1,50.1 42.1,51.4 42.4,51.7 U2#4.13 ; JP2#5.1 39.6,38 40,38.4 40.7,38.4 41.2,37.9 41.9,37.9 42.1,38.1 42.1,39.4 42.4,39.7 U2#5.13 ; JP2#6.1 39.6,26 40,26.4 40.7,26.4 41.2,25.9 41.9,25.9 42.1,26.1 42.1,27.4 42.4,27.7 U2#6.13 ; JP2#7.1 39.6,14 40,14.4 40.7,14.4 41.2,13.9 41.9,13.9 42.1,14.1 42.1,15.4 42.4,15.7 U2#7.13 ; JP2#8.1 39.6,2 40,2.4 40.7,2.4 41.2,1.9 41.9,1.9 42.1,2.1 42.1,3.4 42.4,3.7 U2#8.13 ; U2.13 42.4,87.7 42.1,87.4 42.1,86.1 41.9,85.9 41.2,85.9 40.7,86.4 40,86.4 39.6,86 JP2.1
Func1: length 258.8
  Top w0.2: v3(35.8,80.7) 35.5,81 29.1,81 28.9,80.8 28.9,79.7 28.3,79.1 v3(25.8,79.1) ; v3(35.8,68.7) 35.5,69 29.1,69 28.9,68.8 28.9,67.7 28.3,67.1 v3(25.8,67.1) ; v3(35.8,56.7) 35.5,57 29.1,57 28.9,56.8 28.9,55.7 28.3,55.1 v3(25.8,55.1) ; v3(35.8,44.7) 35.5,45 29.1,45 28.9,44.8 28.9,43.7 28.3,43.1 v3(25.8,43.1) ; v3(35.8,32.7) 35.5,33 29.1,33 28.9,32.8 28.9,31.7 28.3,31.1 v3(25.8,31.1) ; v3(35.8,20.7) 35.5,21 29.1,21 28.9,20.8 28.9,19.7 28.3,19.1 v3(25.8,19.1) ; v3(35.8,8.7) 35.5,9 29.1,9 28.9,8.8 28.9,7.7 28.3,7.1 v3(25.8,7.1) ; v3(25.8,91.1) 28.3,91.1 28.9,91.7 28.9,92.8 29.1,93 35.5,93 v3(35.8,92.7)
  Bottom w0.17: v3(35.8,80.7) 36.1,81 45.2,81 45.4,80.8 45.4,80.5 45.6,80.3 47.5,80.3 47.7,80.5 48.6,80.5 48.75,80.35 48.75,79.25 48.6,79.1 47.6,79.1 47.3,78.8 47.3,76.3 47.1,76.1 46.45,76.1 ; v3(35.8,68.7) 36.1,69 45.2,69 45.4,68.8 45.4,68.5 45.6,68.3 47.5,68.3 47.7,68.5 48.6,68.5 48.75,68.35 48.75,67.25 48.6,67.1 47.6,67.1 47.3,66.8 47.3,64.3 47.1,64.1 46.45,64.1 ; v3(35.8,56.7) 36.1,57 45.2,57 45.4,56.8 45.4,56.5 45.6,56.3 47.5,56.3 47.7,56.5 48.6,56.5 48.75,56.35 48.75,55.25 48.6,55.1 47.6,55.1 47.3,54.8 47.3,52.3 47.1,52.1 46.45,52.1 ; v3(35.8,44.7) 36.1,45 45.2,45 45.4,44.8 45.4,44.5 45.6,44.3 47.5,44.3 47.7,44.5 48.6,44.5 48.75,44.35 48.75,43.25 48.6,43.1 47.6,43.1 47.3,42.8 47.3,40.3 47.1,40.1 46.45,40.1 ; v3(35.8,32.7) 36.1,33 45.2,33 45.4,32.8 45.4,32.5 45.6,32.3 47.5,32.3 47.7,32.5 48.6,32.5 48.75,32.35 48.75,31.25 48.6,31.1 47.6,31.1 47.3,30.8 47.3,28.3 47.1,28.1 46.45,28.1 ; v3(35.8,20.7) 36.1,21 45.2,21 45.4,20.8 45.4,20.5 45.6,20.3 47.5,20.3 47.7,20.5 48.6,20.5 48.75,20.35 48.75,19.25 48.6,19.1 47.6,19.1 47.3,18.8 47.3,16.3 47.1,16.1 46.45,16.1 ; v3(35.8,8.7) 36.1,9 45.2,9 45.4,8.8 45.4,8.5 45.6,8.3 47.5,8.3 47.7,8.5 48.6,8.5 48.75,8.35 48.75,7.25 48.6,7.1 47.6,7.1 47.3,6.8 47.3,4.3 47.1,4.1 46.45,4.1 ; 46.45,88.1 47.1,88.1 47.3,88.3 47.3,90.8 47.6,91.1 48.6,91.1 48.75,91.25 48.75,92.35 48.6,92.5 47.7,92.5 47.5,92.3 45.6,92.3 45.4,92.5 45.4,92.8 45.2,93 36.1,93 v3(35.8,92.7)
  Bottom w0.2: 25.9,78.4 Q11#2.1 25.9,79 v3(25.8,79.1) ; 25.9,66.4 Q11#3.1 25.9,67 v3(25.8,67.1) ; 25.9,54.4 Q11#4.1 25.9,55 v3(25.8,55.1) ; 25.9,42.4 Q11#5.1 25.9,43 v3(25.8,43.1) ; 25.9,30.4 Q11#6.1 25.9,31 v3(25.8,31.1) ; 25.9,18.4 Q11#7.1 25.9,19 v3(25.8,19.1) ; 25.9,6.4 Q11#8.1 25.9,7 v3(25.8,7.1) ; v3(25.8,91.1) 25.9,91 Q11.1 25.9,90.4
Func2: length 41.8
  Bottom w0.17: U2#2.16 44.3,77.4 43.6,77.4 42.7,78.3 42.7,78.5 41.7,79.5 41,79.5 40.9,79.4 Q14#2.5 ; U2#3.16 44.3,65.4 43.6,65.4 42.7,66.3 42.7,66.5 41.7,67.5 41,67.5 40.9,67.4 Q14#3.5 ; U2#4.16 44.3,53.4 43.6,53.4 42.7,54.3 42.7,54.5 41.7,55.5 41,55.5 40.9,55.4 Q14#4.5 ; U2#5.16 44.3,41.4 43.6,41.4 42.7,42.3 42.7,42.5 41.7,43.5 41,43.5 40.9,43.4 Q14#5.5 ; U2#6.16 44.3,29.4 43.6,29.4 42.7,30.3 42.7,30.5 41.7,31.5 41,31.5 40.9,31.4 Q14#6.5 ; U2#7.16 44.3,17.4 43.6,17.4 42.7,18.3 42.7,18.5 41.7,19.5 41,19.5 40.9,19.4 Q14#7.5 ; U2#8.16 44.3,5.4 43.6,5.4 42.7,6.3 42.7,6.5 41.7,7.5 41,7.5 40.9,7.4 Q14#8.5 ; U2.16 44.3,89.4 43.6,89.4 42.7,90.3 42.7,90.5 41.7,91.5 41,91.5 40.9,91.4 Q14.5
